# KiCad board PSEC5_Board.kicad_pcb (continued)
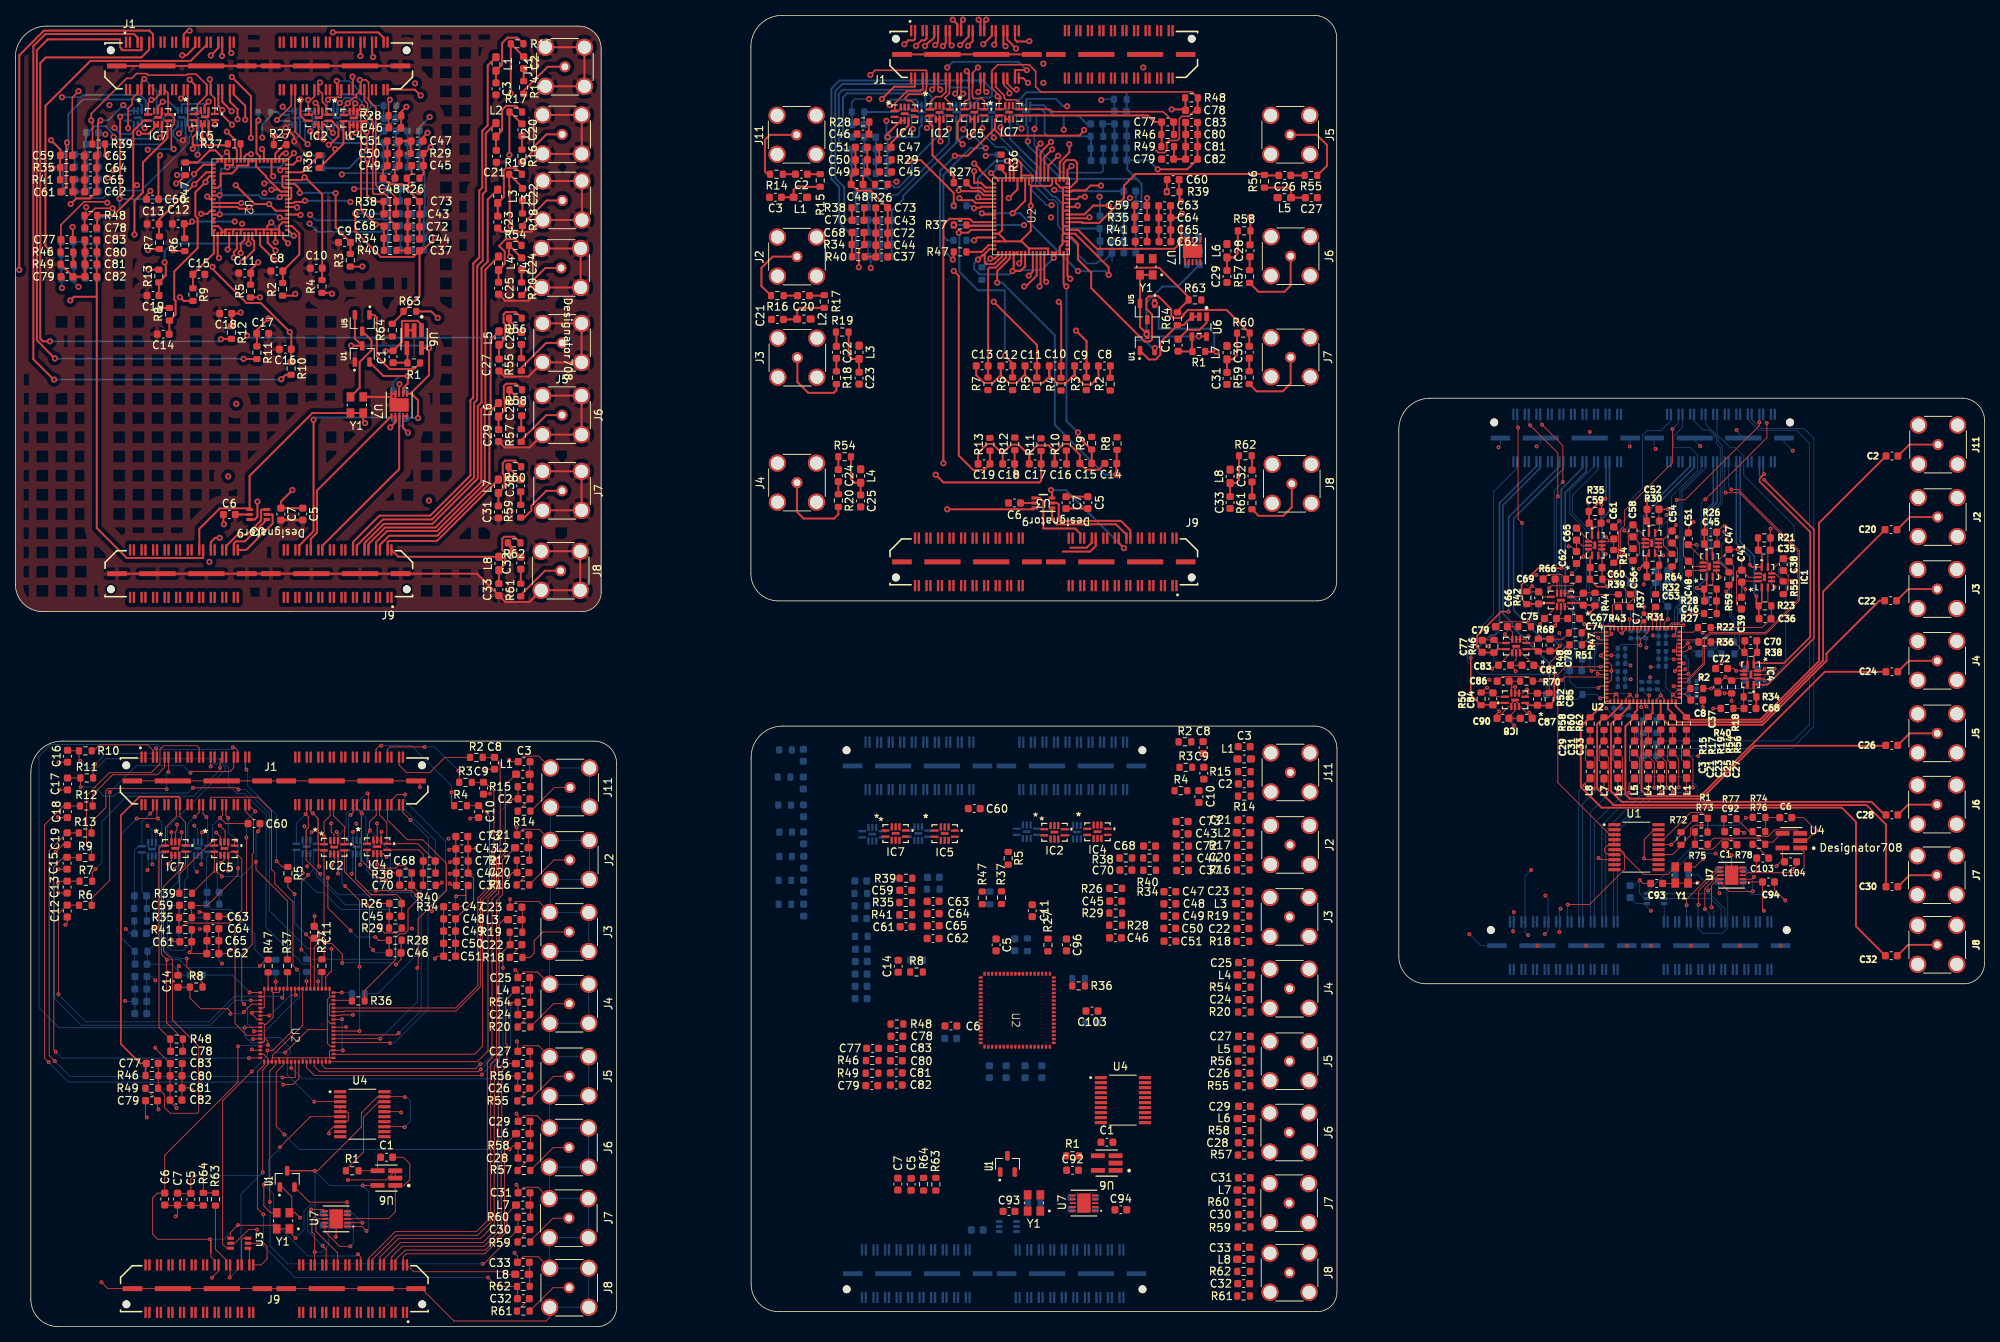
[diagram p0: board, top side]
## Nets (continued)
VDD33: C39.2 C39#2.2 C39#4.2 C39#5.2 C40.2 C40#2.2 C40#3.2 C40#4.2 C41.2 C41#2.2 C41#3.2 C41#4.2 C42.2 C42#2.2 C42#3.2 C42#4.2 C43#2.2 C43#3.2 C43#4.2 C43#5.2 C44.2 C44#2.2 C44#4.2 C44#5.2 C48.2 C48#3.2 C48#4.2 C48#5.2 C49.2 C49#2.2 C49#4.2 C49#5.2 C50.2 C50#2.2 C50#4.2 C50#5.2 C51#2.2 C51#3.2 C51#4.2 C51#5.2 C55#2.2 C55#3.2 C55#4.2 C55#5.2 C56.2 C56#3.2 C56#4.2 C56#5.2 C57.2 C57#3.2 C57#4.2 C57#5.2 C58.2 C58#2.2 C58#4.2 C58#5.2 C62.2 C62#3.2 C62#4.2 C62#5.2 C63.2 C63#2.2 C63#4.2 C63#5.2 C64#2.2 C64#3.2 C64#4.2 C64#5.2 C65#2.2 C65#3.2 C65#4.2 C65#5.2 C71#2.2 C71#3.2 C71#4.2 C71#5.2 C72#2.2 C72#3.2 C72#4.2 C72#5.2 C73.2 C73#3.2 C73#4.2 C73#5.2 C74.2 C74#2.2 C74#3.2 C74#4.2 C75.2 C75#2.2 C75#3.2 C75#4.2 C76.2 C76#2.2 C76#3.2 C76#4.2 C80.2 C80#3.2 C80#4.2 C80#5.2 C81#2.2 C81#3.2 C81#4.2 C81#5.2 C82#2.2 C82#3.2 C82#4.2 C82#5.2 C83.2 C83#3.2 C83#4.2 C83#5.2 C87.2 C87#2.2 C87#3.2 C87#5.2 C88.2 C88#2.2 C88#4.2 C88#5.2 C89.2 C89#3.2 C89#4.2 C89#5.2 C90.2 C90#2.2 C90#3.2 C90#4.2 IC1.3 IC1.4 IC1.9 IC1#2.3 IC1#2.4 IC1#2.9 IC1#3.3 IC1#3.4 IC1#3.9 IC1#4.3 IC1#4.4 IC1#4.9 IC2.3 IC2.4 IC2.9 IC2#2.3 IC2#2.4 IC2#2.9 IC2#3.3 IC2#3.4 IC2#3.9 IC2#4.3 IC2#4.4 IC2#4.9 IC3.3 IC3.4 IC3.9 IC3#2.3 IC3#2.4 IC3#2.9 IC3#3.3 IC3#3.4 IC3#3.9 IC3#5.3 IC3#5.4 IC3#5.9 IC4#2.3 IC4#2.4 IC4#2.9 IC4#3.3 IC4#3.4 IC4#3.9 IC4#4.3 IC4#4.4 IC4#4.9 IC4#5.3 IC4#5.4 IC4#5.9 IC5.3 IC5.4 IC5.9 IC5#2.3 IC5#2.4 IC5#2.9 IC5#3.3 IC5#3.4 IC5#3.9 IC5#5.3 IC5#5.4 IC5#5.9 IC6.3 IC6.4 IC6.9 IC6#3.3 IC6#3.4 IC6#3.9 IC6#4.3 IC6#4.4 IC6#4.9 IC6#5.3 IC6#5.4 IC6#5.9 IC7.3 IC7.4 IC7.9 IC7#2.3 IC7#2.4 IC7#2.9 IC7#3.3 IC7#3.4 IC7#3.9 IC7#5.3 IC7#5.4 IC7#5.9 IC8.3 IC8.4 IC8.9 IC8#2.3 IC8#2.4 IC8#2.9 IC8#3.3 IC8#3.4 IC8#3.9 IC8#5.3 IC8#5.4 IC8#5.9 J9.54 J9#2.54 J9#3.34 J9#4.54 J9#4.56 J9#5.73 J9#5.75 U1#2.8 U4#2.8 U4#3.8
VDD50: J9.58 J9#2.58 J9#3.38 J9#4.58 J9#4.60 J9#5.69 J9#5.71
/ADC_Buffer2/ADC4_In: R31.2 R31#2.2 R31#3.2 R31#4.2 R31#5.2 U2.30 U2#2.30 U2#3.30 U2#4.30 U2#5.30
/ADC_Buffer2/ADC5_In: R37.2 R37#2.2 R37#3.2 R37#4.2 R37#5.2 U2.25 U2#2.25 U2#3.25 U2#4.25 U2#5.25
/ADC_Buffer2/V_OCM: C54#3.1 C61#4.1 IC3#4.5 IC5#4.5 R63#2.2 R64#5.1
/ADC_Buffer3/ADC6_In: R43.2 R43#2.2 R43#3.2 R43#4.2 R43#5.2 U2.22 U2#2.22 U2#3.22 U2#4.22 U2#5.22
/ADC_Buffer3/ADC7_In: R47.2 R47#2.2 R47#3.2 R47#4.2 R47#5.2 U2.20 U2#2.20 U2#3.20 U2#4.20 U2#5.20
/ADC_Buffer3/ADC8_In: R51.2 R51#2.2 R51#3.2 R51#4.2 R51#5.2 U2.18 U2#2.18 U2#3.18 U2#4.18 U2#5.18
/ADC_Buffer3/V_OCM: C69#5.1 C79.1 C86#3.1 IC6#2.5 IC7#4.5 IC8#4.5
/ADC_Buffer/ADC1_In: R36.2 R36#2.2 R36#3.2 R36#4.2 R36#5.2 U2.39 U2#2.39 U2#3.39 U2#4.39 U2#5.39
/ADC_Buffer/ADC2_In: R22.2 R22#2.2 R22#3.2 R22#4.2 R22#5.2 U2.37 U2#2.37 U2#3.37 U2#4.37 U2#5.37
/ADC_Buffer/ADC3_In: R27.2 R27#2.2 R27#3.2 R27#4.2 R27#5.2 U2.34 U2#2.34 U2#3.34 U2#4.34 U2#5.34
/ADC_Buffer/V_OCM: C37#5.1 C38#2.1 C47#4.1 IC1#5.5 IC2#5.5 IC4.5
/Biases,Thresh/discbias_postrc: C19.1 C19#2.1 C19#3.1 C19#4.1 C19#5.1 R13.1 R13#2.1 R13#3.1 R13#4.1 R13#5.1 U2.64 U2#2.64 U2#3.64 U2#4.64 U2#5.64
/Biases,Thresh/discthresh1_postrc: C8.1 C8#2.1 C8#3.1 C8#4.1 C8#5.1 R2.1 R2#2.1 R2#3.1 R2#4.1 R2#5.1 U2.53 U2#2.53 U2#3.53 U2#4.53 U2#5.53
/Biases,Thresh/discthresh2_postrc: C9.1 C9#2.1 C9#3.1 C9#4.1 C9#5.1 R3.1 R3#2.1 R3#3.1 R3#4.1 R3#5.1 U2.42 U2#2.42 U2#3.42 U2#4.42 U2#5.42
/Biases,Thresh/discthresh3_postrc: C10.1 C10#2.1 C10#3.1 C10#4.1 C10#5.1 R4.1 R4#2.1 R4#3.1 R4#4.1 R4#5.1 U2.41 U2#2.41 U2#3.41 U2#4.41 U2#5.41
/Biases,Thresh/discthresh4_postrc: C11.1 C11#2.1 C11#3.1 C11#4.1 C11#5.1 R5.1 R5#2.1 R5#3.1 R5#4.1 R5#5.1 U2.31 U2#2.31 U2#3.31 U2#4.31 U2#5.31
/Biases,Thresh/discthresh5_postrc: C12.1 C12#2.1 C12#3.1 C12#4.1 C12#5.1 R6.1 R6#2.1 R6#3.1 R6#4.1 R6#5.1 U2.24 U2#2.24 U2#3.24 U2#4.24 U2#5.24
/Biases,Thresh/discthresh6_postrc: C13.1 C13#2.1 C13#3.1 C13#4.1 C13#5.1 R7.1 R7#2.1 R7#3.1 R7#4.1 R7#5.1 U2.16 U2#2.16 U2#3.16 U2#4.16 U2#5.16
/Biases,Thresh/discthresh7_postrc: C14.1 C14#2.1 C14#3.1 C14#4.1 C14#5.1 R8.1 R8#2.1 R8#3.1 R8#4.1 R8#5.1 U2.15 U2#2.15 U2#3.15 U2#4.15 U2#5.15
/Biases,Thresh/discthresh8_postrc: C15.1 C15#2.1 C15#3.1 C15#4.1 C15#5.1 R9.1 R9#2.1 R9#3.1 R9#4.1 R9#5.1 U2.1 U2#2.1 U2#3.1 U2#4.1 U2#5.1
/Biases,Thresh/readbias1_postrc: C16.1 C16#2.1 C16#3.1 C16#4.1 C16#5.1 R10.1 R10#2.1 R10#3.1 R10#4.1 R10#5.1 U2.33 U2#2.33 U2#3.33 U2#4.33 U2#5.33
/Biases,Thresh/readbias2_postrc: C17.1 C17#2.1 C17#3.1 C17#4.1 C17#5.1 R11.1 R11#2.1 R11#3.1 R11#4.1 R11#5.1 U2.35 U2#2.35 U2#3.35 U2#4.35 U2#5.35
/Biases,Thresh/wbufbias_postrc: C18.1 C18#2.1 C18#3.1 C18#4.1 C18#5.1 R12.1 R12#2.1 R12#3.1 R12#4.1 R12#5.1 U2.63 U2#2.63 U2#3.63 U2#4.63 U2#5.63
/Pedestals/SIGNAL1: C2.1 C2#2.1 C2#3.1 C2#4.1 C2#5.1 R15.2 R15#2.2 R15#3.2 R15#4.2 R15#5.2 U2.55 U2#2.55 U2#3.55 U2#4.55 U2#5.55
/Pedestals/SIGNAL2: C20.1 C20#2.1 C20#3.1 C20#4.1 C20#5.1 R17.2 R17#2.2 R17#3.2 R17#4.2 R17#5.2 U2.57 U2#2.57 U2#3.57 U2#4.57 U2#5.57
/Pedestals/SIGNAL3: C22.1 C22#2.1 C22#3.1 C22#4.1 C22#5.1 R19.2 R19#2.2 R19#3.2 R19#4.2 R19#5.2 U2.59 U2#2.59 U2#3.59 U2#4.59 U2#5.59
/Pedestals/SIGNAL4: C24.1 C24#2.1 C24#3.1 C24#4.1 C24#5.1 R54.2 R54#2.2 R54#3.2 R54#4.2 R54#5.2 U2.61 U2#2.61 U2#3.61 U2#4.61 U2#5.61
/Pedestals/SIGNAL5: C26.1 C26#2.1 C26#3.1 C26#4.1 C26#5.1 R56.2 R56#2.2 R56#3.2 R56#4.2 R56#5.2 U2.65 U2#2.65 U2#3.65 U2#4.65 U2#5.65
/Pedestals/SIGNAL6: C28.1 C28#2.1 C28#3.1 C28#4.1 C28#5.1 R58.2 R58#2.2 R58#3.2 R58#4.2 R58#5.2 U2.67 U2#2.67 U2#3.67 U2#4.67 U2#5.67
/Pedestals/SIGNAL7: C30.1 C30#2.1 C30#3.1 C30#4.1 C30#5.1 R60.2 R60#2.2 R60#3.2 R60#4.2 R60#5.2 U2.69 U2#2.69 U2#3.69 U2#4.69 U2#5.69
/Pedestals/SIGNAL8: C32.1 C32#2.1 C32#3.1 C32#4.1 C32#5.1 R62.2 R62#2.2 R62#3.2 R62#4.2 R62#5.2 U2.72 U2#2.72 U2#3.72 U2#4.72 U2#5.72
/Phase_detection/CLK_OUT: U5.3 U5#2.3 Y1.3 Y1#2.3
/Phase_detection/OP_AMP_OUT: C1.1 C1#2.1 C1#3.1 C1#4.1 C103#2.1 U4.1 U6.1 U6#2.1 U6#3.1 U6#4.1 U7.3 U7#2.3 U7#3.3 U7#4.3 U7#5.3
/Phase_detection/PSEC5_CLK_OUT: U2.9
/Phase_detection/To FPGA***: R25#2.2 U7#2.7 U7#2.8
ADC1_Out+: C70.2 C70#2.2 C70#3.2 C70#4.2 C70#5.2 IC4.1 IC4#2.1 IC4#3.1 IC4#4.1 IC4#5.1 J1.06 J1#2.70 J1#3.70 J1#4.70 J1#5.06 R38.1 R38#2.1 R38#3.1 R38#4.1 R38#5.1
ADC1_Out-: C68.1 C68#2.1 C68#3.1 C68#4.1 C68#5.1 IC4.7 IC4#2.7 IC4#3.7 IC4#4.7 IC4#5.7 J1.08 J1#2.72 J1#3.72 J1#4.72 J1#5.08 R34.2 R34#2.2 R34#3.2 R34#4.2 R34#5.2
ADC2_Out+: C36.2 C36#2.2 C36#3.2 C36#4.2 C36#5.2 IC1.1 IC1#2.1 IC1#3.1 IC1#4.1 IC1#5.1 J1.10 J1#2.64 J1#3.62 J1#4.64 J1#5.14 R23.1 R23#2.1 R23#3.1 R23#4.1 R23#5.1
ADC2_Out-: C35.1 C35#2.1 C35#3.1 C35#4.1 C35#5.1 IC1.7 IC1#2.7 IC1#3.7 IC1#4.7 IC1#5.7 J1.12 J1#2.62 J1#3.64 J1#4.62 J1#5.16 R21.2 R21#2.2 R21#3.2 R21#4.2 R21#5.2
ADC3_Out+: C46.2 C46#2.2 C46#3.2 C46#4.2 C46#5.2 IC2.1 IC2#2.1 IC2#3.1 IC2#4.1 IC2#5.1 J1.14 J1#2.54 J1#3.54 J1#4.54 J1#5.22 R28.1 R28#2.1 R28#3.1 R28#4.1 R28#5.1
ADC3_Out-: C45.1 C45#2.1 C45#3.1 C45#4.1 C45#5.1 IC2.7 IC2#2.7 IC2#3.7 IC2#4.7 IC2#5.7 J1.16 J1#2.56 J1#3.56 J1#4.56 J1#5.24 R26.2 R26#2.2 R26#3.2 R26#4.2 R26#5.2
ADC4_Out+: C53.2 C53#2.2 C53#3.2 C53#4.2 C53#5.2 IC3.1 IC3#2.1 IC3#3.1 IC3#4.1 IC3#5.1 J1.18 J1#2.48 J1#3.46 J1#4.48 J1#5.30 R32.1 R32#2.1 R32#3.1 R32#4.1 R32#5.1
ADC4_Out-: C52.1 C52#2.1 C52#3.1 C52#4.1 C52#5.1 IC3.7 IC3#2.7 IC3#3.7 IC3#4.7 IC3#5.7 J1.20 J1#2.46 J1#3.48 J1#4.46 J1#5.32 R30.2 R30#2.2 R30#3.2 R30#4.2 R30#5.2
ADC5_Out+: C60.2 C60#2.2 C60#3.2 C60#4.2 C60#5.2 IC5.1 IC5#2.1 IC5#3.1 IC5#4.1 IC5#5.1 J1.22 J1#2.30 J1#3.30 J1#4.30 J1#5.46 R39.1 R39#2.1 R39#3.1 R39#4.1 R39#5.1
ADC5_Out-: C59.1 C59#2.1 C59#3.1 C59#4.1 C59#5.1 IC5.7 IC5#2.7 IC5#3.7 IC5#4.7 IC5#5.7 J1.24 J1#2.32 J1#3.32 J1#4.32 J1#5.48 R35.2 R35#2.2 R35#3.2 R35#4.2 R35#5.2
ADC6_Out+: C67.2 C67#2.2 C67#3.2 C67#4.2 C67#5.2 IC6.1 IC6#2.1 IC6#3.1 IC6#4.1 IC6#5.1 J1.26 J1#2.24 J1#3.22 J1#4.24 J1#5.54 R44.1 R44#2.1 R44#3.1 R44#4.1 R44#5.1
ADC6_Out-: C66.1 C66#2.1 C66#3.1 C66#4.1 C66#5.1 IC6.7 IC6#2.7 IC6#3.7 IC6#4.7 IC6#5.7 J1.28 J1#2.22 J1#3.24 J1#4.22 J1#5.56 R42.2 R42#2.2 R42#3.2 R42#4.2 R42#5.2
ADC7_Out+: C78.2 C78#2.2 C78#3.2 C78#4.2 C78#5.2 IC7.1 IC7#2.1 IC7#3.1 IC7#4.1 IC7#5.1 J1.30 J1#2.14 J1#3.14 J1#4.14 J1#5.62 R48.1 R48#2.1 R48#3.1 R48#4.1 R48#5.1
ADC7_Out-: C77.1 C77#2.1 C77#3.1 C77#4.1 C77#5.1 IC7.7 IC7#2.7 IC7#3.7 IC7#4.7 IC7#5.7 J1.32 J1#2.16 J1#3.16 J1#4.16 J1#5.64 R46.2 R46#2.2 R46#3.2 R46#4.2 R46#5.2
ADC8_Out+: C85.2 C85#2.2 C85#3.2 C85#4.2 C85#5.2 IC8.1 IC8#2.1 IC8#3.1 IC8#4.1 IC8#5.1 J1.34 J1#2.08 J1#3.06 J1#4.08 J1#5.70 R52.1 R52#2.1 R52#3.1 R52#4.1 R52#5.1
ADC8_Out-: C84.1 C84#2.1 C84#3.1 C84#4.1 C84#5.1 IC8.7 IC8#2.7 IC8#3.7 IC8#4.7 IC8#5.7 J1.36 J1#2.06 J1#3.08 J1#4.06 J1#5.72 R50.2 R50#2.2 R50#3.2 R50#4.2 R50#5.2
ADC_CNV?: J9#3.28
ADC_SCK: J9.26 J9#2.26 J9#3.24 J9#4.26 J9#5.23 U7.8 U7#3.8 U7#4.8 U7#5.8
ADC_SDO: J9.34 J9#2.34 J9#3.26 J9#4.34 J9#5.27 R25.2 R25#3.2 R25#4.2 R25#5.2 U7.7 U7#3.7 U7#4.7 U7#5.7
DAC_SCLK: J9.42 J9#2.42 J9#3.18 J9#4.42 J9#5.19 U3.2 U3#2.2 U3#3.2 U3#4.2 U3#5.2
DAC_V_IN: J9.46 J9#2.46 J9#3.22 J9#4.46 J9#5.39 U3.3 U3#2.3 U3#3.3 U3#4.3 U3#5.3
DAC_V_OUT: U2.26 U2#2.26 U2#3.26 U2#4.26 U2#5.26 U3.6 U3#2.6 U3#3.6 U3#4.6 U3#5.6
Disc_Thresh1: J1.21 J1#2.77 J1#3.77 J1#4.77 J1#5.21 R2.2 R2#2.2 R2#3.2 R2#4.2 R2#5.2
Disc_Thresh2: J1.23 J1#2.73 J1#3.73 J1#4.73 J1#5.25 R3.2 R3#2.2 R3#3.2 R3#4.2 R3#5.2
Disc_Thresh3: J1.25 J1#2.69 J1#3.69 J1#4.69 J1#5.29 R4.2 R4#2.2 R4#3.2 R4#4.2 R4#5.2
Disc_Thresh4: J1.27 J1#2.37 J1#3.37 J1#4.37 J1#5.33 R5.2 R5#2.2 R5#3.2 R5#4.2 R5#5.2
Disc_Thresh5: J1.29 J1#2.33 J1#3.33 J1#4.33 J1#5.37 R6.2 R6#2.2 R6#3.2 R6#4.2 R6#5.2
Disc_Thresh6: J1.31 J1#2.29 J1#3.29 J1#4.29 J1#5.69 R7.2 R7#2.2 R7#3.2 R7#4.2 R7#5.2
Disc_Thresh7: J1.33 J1#2.25 J1#3.25 J1#4.25 J1#5.73 R8.2 R8#2.2 R8#3.2 R8#4.2 R8#5.2
Disc_Thresh8: J1.35 J1#2.21 J1#3.21 J1#4.21 J1#5.77 R9.2 R9#2.2 R9#3.2 R9#4.2 R9#5.2
DISCBIAS: J1.19 J1#2.11 J1#3.11 J1#4.11 J1#5.09 R13.2 R13#2.2 R13#3.2 R13#4.2 R13#5.2
PICO: J1.11 J1#2.68 J1#3.68 J1#4.68 J1#5.28 U2.47 U2#2.47 U2#3.47 U2#4.47 U2#5.47
POCI: J1.04 J1#2.80 J1#3.80 J1#4.80 J1#5.26 U2.48 U2#2.48 U2#3.48 U2#4.48 U2#5.48
PSEC5_CLK_OUT: J1.40 J1#2.35 J1#3.35 J1#4.35 J1#5.35 U1#2.3 U2#2.9 U2#3.9 U2#4.9 U2#5.9 U4#2.3 U4#3.3
READBIAS1: J1.13 J1#2.05 J1#3.05 J1#4.05 J1#5.07 R10.2 R10#2.2 R10#3.2 R10#4.2 R10#5.2
READBIAS2: J1.15 J1#2.07 J1#3.07 J1#4.07 J1#5.05 R11.2 R11#2.2 R11#3.2 R11#4.2 R11#5.2
ReadClk: J1.03 J1#2.38 J1#3.38 J1#4.38 J1#5.52 U2.8 U2#2.8 U2#3.8 U2#4.8 U2#5.8
rst: J1.07 J1#2.74 J1#3.34 J1#4.74 J1#5.20 U2.49 U2#2.49 U2#3.49 U2#4.49 U2#5.49
SPIclk: J1.09 J1#2.76 J1#3.36 J1#4.76 J1#5.18 U2.50 U2#2.50 U2#3.50 U2#4.50 U2#5.50
SYNC_N: J9.44 J9#2.44 J9#3.20 J9#4.44 J9#5.17 U3.1 U3#2.1 U3#3.1 U3#4.1 U3#5.1
TRIGGERIN: J1.37 J1#2.26 J1#3.26 J1#4.26 J1#5.78 U2.6 U2#2.6 U2#3.6 U2#4.6 U2#5.6
TRIGGEROUT: J1.38 J1#2.40 J1#3.40 J1#4.40 J1#5.50 U2.7 U2#2.7 U2#3.7 U2#4.7 U2#5.7
V_ped1: J9.16 J9#2.16 J9#3.02 J9#4.16 J9#5.41 L1.2 L1#2.2 L1#3.2 L1#4.2 L1#5.2
V_ped2: J9.14 J9#2.14 J9#3.04 J9#4.14 J9#5.43 L2.2 L2#2.2 L2#3.2 L2#4.2 L2#5.2
V_ped3: J9.12 J9#2.12 J9#3.06 J9#4.12 J9#5.45 L3.2 L3#2.2 L3#3.2 L3#4.2 L3#5.2
V_ped4: J9.10 J9#2.10 J9#3.08 J9#4.10 J9#5.47 L4.2 L4#2.2 L4#3.2 L4#4.2 L4#5.2
V_ped5: J9.08 J9#2.08 J9#3.10 J9#4.08 J9#5.49 L5.2 L5#2.2 L5#3.2 L5#4.2 L5#5.2
V_ped6: J9.06 J9#2.06 J9#3.12 J9#4.06 J9#5.51 L6.2 L6#2.2 L6#3.2 L6#4.2 L6#5.2
V_ped7: J9.04 J9#2.04 J9#3.14 J9#4.04 J9#5.53 L7.2 L7#2.2 L7#3.2 L7#4.2 L7#5.2
V_ped8: J9.02 J9#2.02 J9#3.16 J9#4.02 J9#5.55 L8.2 L8#2.2 L8#3.2 L8#4.2 L8#5.2
WBUFBIAS: J1.17 J1#2.09 J1#3.09 J1#4.09 J1#5.11 R12.2 R12#2.2 R12#3.2 R12#4.2 R12#5.2
Net-(C2-Pad2): C2.2 C2#3.2 C2#4.2 R14.1 R14#2.1 R14#4.1 R14#5.1
Net-(C3-Pad1): C3.1 C3#2.1 C3#3.1 C3#4.1 C3#5.1 L1.1 L1#2.1 L1#3.1 L1#4.1 L1#5.1 R15.1 R15#2.1 R15#3.1 R15#4.1 R15#5.1
Net-(C20-Pad2): C20#2.2 C20#3.2 C20#5.2 R16.1 R16#2.1 R16#3.1 R16#4.1
Net-(C21-Pad1): C21.1 C21#2.1 C21#3.1 C21#4.1 C21#5.1 L2.1 L2#2.1 L2#3.1 L2#4.1 L2#5.1 R17.1 R17#2.1 R17#3.1 R17#4.1 R17#5.1
Net-(C22-Pad2): C22#3.2 C22#4.2 C22#5.2 R18.1 R18#3.1 R18#4.1 R18#5.1
Net-(C23-Pad1): C23.1 C23#2.1 C23#3.1 C23#4.1 C23#5.1 L3.1 L3#2.1 L3#3.1 L3#4.1 L3#5.1 R19.1 R19#2.1 R19#3.1 R19#4.1 R19#5.1
Net-(C24-Pad2): C24#2.2 C24#4.2 C24#5.2 R20.1 R20#2.1 R20#3.1 R20#4.1
Net-(C25-Pad1): C25.1 C25#2.1 C25#3.1 C25#4.1 C25#5.1 L4.1 L4#2.1 L4#3.1 L4#4.1 L4#5.1 R54.1 R54#2.1 R54#3.1 R54#4.1 R54#5.1
Net-(C26-Pad2): C26#2.2 C26#3.2 C26#5.2 R55.1 R55#2.1 R55#3.1 R55#4.1
Net-(C27-Pad1): C27.1 C27#2.1 C27#3.1 C27#4.1 C27#5.1 L5.1 L5#2.1 L5#3.1 L5#4.1 L5#5.1 R56.1 R56#2.1 R56#3.1 R56#4.1 R56#5.1
Net-(C28-Pad2): C28#2.2 C28#3.2 C28#4.2 R57.1 R57#2.1 R57#3.1 R57#4.1
Net-(C29-Pad1): C29.1 C29#2.1 C29#3.1 C29#4.1 C29#5.1 L6.1 L6#2.1 L6#3.1 L6#4.1 L6#5.1 R58.1 R58#2.1 R58#3.1 R58#4.1 R58#5.1
Net-(C30-Pad2): C30.2 C30#3.2 C30#4.2 R59.1 R59#2.1 R59#4.1 R59#5.1
Net-(C31-Pad1): C31.1 C31#2.1 C31#3.1 C31#4.1 C31#5.1 L7.1 L7#2.1 L7#3.1 L7#4.1 L7#5.1 R60.1 R60#2.1 R60#3.1 R60#4.1 R60#5.1
Net-(C32-Pad2): C32#2.2 C32#3.2 C32#4.2 R61.1 R61#2.1 R61#3.1 R61#4.1
Net-(C33-Pad1): C33.1 C33#2.1 C33#3.1 C33#4.1 C33#5.1 L8.1 L8#2.1 L8#3.1 L8#4.1 L8#5.1 R62.1 R62#2.1 R62#3.1 R62#4.1 R62#5.1
Net-(IC1-+IN): C36.1 C36#2.1 C36#3.1 C36#4.1 C36#5.1 IC1.2 IC1#2.2 IC1#3.2 IC1#4.2 IC1#5.2 R22.1 R22#2.1 R22#3.1 R22#4.1 R22#5.1 R23.2 R23#2.2 R23#3.2 R23#4.2 R23#5.2
Net-(IC1--IN): C35.2 C35#2.2 C35#3.2 C35#4.2 C35#5.2 IC1.6 IC1#2.6 IC1#3.6 IC1#4.6 IC1#5.6 R21.1 R21#2.1 R21#3.1 R21#4.1 R21#5.1 R24.1 R24#2.1 R24#3.1 R24#4.1 R24#5.1
Net-(IC2-+IN): C46.1 C46#2.1 C46#3.1 C46#4.1 C46#5.1 IC2.2 IC2#2.2 IC2#3.2 IC2#4.2 IC2#5.2 R27.1 R27#2.1 R27#3.1 R27#4.1 R27#5.1 R28.2 R28#2.2 R28#3.2 R28#4.2 R28#5.2
Net-(IC2--IN): C45.2 C45#2.2 C45#3.2 C45#4.2 C45#5.2 IC2.6 IC2#2.6 IC2#3.6 IC2#4.6 IC2#5.6 R26.1 R26#2.1 R26#3.1 R26#4.1 R26#5.1 R29.1 R29#2.1 R29#3.1 R29#4.1 R29#5.1
Net-(IC3-+IN): C53.1 C53#2.1 C53#3.1 C53#4.1 C53#5.1 IC3.2 IC3#2.2 IC3#3.2 IC3#4.2 IC3#5.2 R31.1 R31#2.1 R31#3.1 R31#4.1 R31#5.1 R32.2 R32#2.2 R32#3.2 R32#4.2 R32#5.2
Net-(IC3--IN): C52.2 C52#2.2 C52#3.2 C52#4.2 C52#5.2 IC3.6 IC3#2.6 IC3#3.6 IC3#4.6 IC3#5.6 R30.1 R30#2.1 R30#3.1 R30#4.1 R30#5.1 R33.1 R33#2.1 R33#3.1 R33#4.1 R33#5.1
Net-(IC4-+IN): C70.1 C70#2.1 C70#3.1 C70#4.1 C70#5.1 IC4.2 IC4#2.2 IC4#3.2 IC4#4.2 IC4#5.2 R36.1 R36#2.1 R36#3.1 R36#4.1 R36#5.1 R38.2 R38#2.2 R38#3.2 R38#4.2 R38#5.2
Net-(IC4--IN): C68.2 C68#2.2 C68#3.2 C68#4.2 C68#5.2 IC4.6 IC4#2.6 IC4#3.6 IC4#4.6 IC4#5.6 R34.1 R34#2.1 R34#3.1 R34#4.1 R34#5.1 R40.1 R40#2.1 R40#3.1 R40#4.1 R40#5.1
Net-(IC5-+IN): C60.1 C60#2.1 C60#3.1 C60#4.1 C60#5.1 IC5.2 IC5#2.2 IC5#3.2 IC5#4.2 IC5#5.2 R37.1 R37#2.1 R37#3.1 R37#4.1 R37#5.1 R39.2 R39#2.2 R39#3.2 R39#4.2 R39#5.2
Net-(IC5--IN): C59.2 C59#2.2 C59#3.2 C59#4.2 C59#5.2 IC5.6 IC5#2.6 IC5#3.6 IC5#4.6 IC5#5.6 R35.1 R35#2.1 R35#3.1 R35#4.1 R35#5.1 R41.1 R41#2.1 R41#3.1 R41#4.1 R41#5.1
Net-(IC6-+IN): C67.1 C67#2.1 C67#3.1 C67#4.1 C67#5.1 IC6.2 IC6#2.2 IC6#3.2 IC6#4.2 IC6#5.2 R43.1 R43#2.1 R43#3.1 R43#4.1 R43#5.1 R44.2 R44#2.2 R44#3.2 R44#4.2 R44#5.2
Net-(IC6--IN): C66.2 C66#2.2 C66#3.2 C66#4.2 C66#5.2 IC6.6 IC6#2.6 IC6#3.6 IC6#4.6 IC6#5.6 R42.1 R42#2.1 R42#3.1 R42#4.1 R42#5.1 R45.1 R45#2.1 R45#3.1 R45#4.1 R45#5.1
Net-(IC7-+IN): C78.1 C78#2.1 C78#3.1 C78#4.1 C78#5.1 IC7.2 IC7#2.2 IC7#3.2 IC7#4.2 IC7#5.2 R47.1 R47#2.1 R47#3.1 R47#4.1 R47#5.1 R48.2 R48#2.2 R48#3.2 R48#4.2 R48#5.2
Net-(IC7--IN): C77.2 C77#2.2 C77#3.2 C77#4.2 C77#5.2 IC7.6 IC7#2.6 IC7#3.6 IC7#4.6 IC7#5.6 R46.1 R46#2.1 R46#3.1 R46#4.1 R46#5.1 R49.1 R49#2.1 R49#3.1 R49#4.1 R49#5.1
Net-(IC8-+IN): C85.1 C85#2.1 C85#3.1 C85#4.1 C85#5.1 IC8.2 IC8#2.2 IC8#3.2 IC8#4.2 IC8#5.2 R51.1 R51#2.1 R51#3.1 R51#4.1 R51#5.1 R52.2 R52#2.2 R52#3.2 R52#4.2 R52#5.2
Net-(IC8--IN): C84.2 C84#2.2 C84#3.2 C84#4.2 C84#5.2 IC8.6 IC8#2.6 IC8#3.6 IC8#4.6 IC8#5.6 R50.1 R50#2.1 R50#3.1 R50#4.1 R50#5.1 R53.1 R53#2.1 R53#3.1 R53#4.1 R53#5.1
Net-(J2-In): C20.2 C20#4.2 J2.1 J2#2.1 J2#3.1 J2#4.1 J2#5.1 R16.2 R16#2.2 R16#3.2 R16#4.2
Net-(J3-In): C22.2 C22#2.2 J3.1 J3#2.1 J3#3.1 J3#4.1 J3#5.1 R18.2 R18#3.2 R18#4.2 R18#5.2
Net-(J4-In): C24.2 C24#3.2 J4.1 J4#2.1 J4#3.1 J4#4.1 J4#5.1 R20.2 R20#2.2 R20#3.2 R20#4.2
Net-(J5-In): C26.2 C26#4.2 J5.1 J5#2.1 J5#3.1 J5#4.1 J5#5.1 R55.2 R55#2.2 R55#3.2 R55#4.2
Net-(J6-In): C28.2 C28#5.2 J6.1 J6#2.1 J6#3.1 J6#4.1 J6#5.1 R57.2 R57#2.2 R57#3.2 R57#4.2
Net-(J7-In): C30#2.2 C30#5.2 J7.1 J7#2.1 J7#3.1 J7#4.1 J7#5.1 R59.2 R59#2.2 R59#4.2 R59#5.2
Net-(J8-In): C32.2 C32#5.2 J8.1 J8#2.1 J8#3.1 J8#4.1 J8#5.1 R61.2 R61#2.2 R61#3.2 R61#4.2
Net-(J11-In): C2#2.2 C2#5.2 J11.1 J11#2.1 J11#3.1 J11#4.1 J11#5.1 R14.2 R14#2.2 R14#4.2 R14#5.2
Net-(U1-VOUT): C34.1 C34#4.1 C34#5.1 U1.2 U1#3.2 U1#4.2 U1#5.2 U7#2.2 U7#3.2 U7#4.2
Net-(U5-U): R1#4.2 R1#5.2 U5.1 U5#2.1
Net-(U6-IN-): C1.2 C1#2.2 C1#3.2 C1#4.2 R1.1 R1#3.1 R1#4.1 R1#5.1 U6.4 U6#2.4 U6#3.4 U6#4.4
Net-(U7-SDI): C4.2 C4#2.2 C4#4.2 U7#2.9 U7#2.10 U7#3.9 U7#3.10 U7#4.9 U7#4.10

Pads without a net: C1#5 2; C6 1; C37 1; C37#2 1; C37#3 1; C37#4 1; C38 1; C38#3 1; C38#4 1; C38#5 1; C47 1; C47#2 1; C47#3 1; C47#5 1; C54 1; C54#2 1; C54#4 1; C54#5 1; C61 1; C61#2 1; C61#3 1; C61#5 1; C69 1; C69#2 1; C69#3 1; C69#4 1; C79#2 1; C79#3 1; C79#4 1; C79#5 1; C86 1; C86#2 1; C86#4 1; C86#5 1; C92 2; C103#2 2; IC1 5; IC1#2 5; IC1#3 5; IC1#4 5; IC2 5; IC2#2 5; IC2#3 5; IC2#4 5; IC3 5; IC3#2 5; IC3#3 5; IC3#5 5; IC4#2 5; IC4#3 5; IC4#4 5; IC4#5 5; IC5 5; IC5#2 5; IC5#3 5; IC5#5 5; IC6 5; IC6#3 5; IC6#4 5; IC6#5 5; IC7 5; IC7#2 5; IC7#3 5; IC7#5 5; IC8 5; IC8#2 5; IC8#3 5; IC8#5 5; J1 01 02 05 39 41 42 43 44 45 46 47 48 49 50 51 52 53 54 55 56 57 58 59 60 61 62 63 64 65 66 67 68 69 70 71 72 73 74 75 76 77 78 79 80 G5 G6 G7 G8; J1#2 01 02 03 04 10 12 13 15 17 18 19 20 23 27 28 31 34 36 39 41 42 43 44 45 47 49 50 51 52 53 55 57 58 59 60 61 63 65 66 67 71 75 78 79; J1#3 01 02 03 04 10 12 13 15 17 18 19 20 23 27 28 31 39 41 42 43 44 45 47 49 50 51 52 53 55 57 58 59 60 61 63 65 66 67 71 74 75 76 78 79; J1#4 01 02 03 04 10 12 13 15 17 18 19 20 23 27 28 31 34 36 39 41 42 43 44 45 47 49 50 51 52 53 55 57 58 59 60 61 63 65 66 67 71 75 78 79; J1#5 01 02 03 04 10 12 13 15 17 19 23 27 31 34 36 38 39 40 41 42 43 44 45 47 49 51 53 55 57 58 59 60 61 63 65 66 67 68 71 74 75 76 79 80; J9 01 03 05 07 09 11 13 15 17 18 19 20 21 22 23 24 25 27 28 29 30 31 32 33 35 36 37 38 39 40 41 43 45 47 48 49 51 53 55 57 59 60 61 62 63 64 65 66 67 68 69 70 71 72 73 74 75 76 77 78 79 80; J9#2 01 03 05 07 09 11 13 15 17 18 19 20 21 22 23 24 25 27 28 29 30 31 32 33 35 36 37 38 39 40 41 43 45 47 48 49 51 53 55 57 59 60 61 62 63 64 65 66 67 68 69 70 71 72 73 74 75 76 77 78 79 80; J9#3 01 03 05 07 09 11 13 15 17 19 21 23 25 27 29 31 33 35 37 39 40 41 42 43 44 45 46 47 48 49 50 51 52 53 54 55 56 57 58 59 60 61 62 63 64 65 66 67 68 69 70 71 72 73 74 75 76 77 78 79 80 G5 G6 G7 G8; J9#4 01 03 05 07 09 11 13 15 17 18 19 20 21 22 23 24 25 27 28 29 30 31 32 33 35 36 37 38 39 40 41 43 45 47 48 49 51 53 55 57 59 61 63 65 67 69 70 71 72 73 74 75 76 77 78 79 80; J9#5 01 02 03 04 05 06 07 08 09 10 11 12 13 14 15 16 18 20 21 22 24 25 26 28 29 30 31 32 33 34 35 36 37 38 40 42 44 46 48 50 52 54 56 57 58 59 60 62 64 66 68 70 72 74 76 78 80; R1 2; R1#2 2; R1#3 2; R14#3 1; R16#5 2; R18#2 1; R20#5 2; R55#5 1; R57#5 2; R59#3 1; R61#5 2; R63 2; R63#3 2; R63#4 2; R63#5 2; R64 1; R64#2 1; R64#3 1; R64#4 1; R65 2; R65#2 2; R66 1; R67 2; R68 1; R69 2; R70 1; R71 2; R72 2; R73 1 2; R74 1 2; R75 1 2; R76 1 2; R77 1 2; R78 1 2; U1#2 1 2 4 5 6 7 9 10 11 12 14 15 17 18 20; U4 3 4; U4#2 1 2 4 5 6 7 9 10 11 12 14 15 17 18 20; U4#3 1 2 4 5 6 7 9 10 11 12 14 15 17 18 20; U7 6 9; U7#3 6; U7#4 6; U7#5 6 9; Y1#3 3; Y1#4 3; Y1#5 3

## Via types
v1: diameter 0.5, hole 0.2, Top to Bottom, 455 vias
v2: diameter 0.8, hole 0.4, Top to Bottom, 352 vias

## Routing (per net, layer and track width the routed paths; a pad name or vN(x,y) marks a point on that pad's centre or on a via; arc(x,y) is an arc through that point)
+1V2: length 152.3
  Top w0.25: 31.29,142.75 31.24,142.8 29.49,142.8 ; 31.29,142.75 31.29,142.25 U2#4.62 ; 31.29,142.75 31.34,142.8 32.34,142.8 ; 34.26,147.92 34.46,147.72 U2#4.44 ; 34.26,147.92 34.24,147.95 v2(33.31,147.95) ; 34.26,147.92 32.59,149.6 32.59,149.72 31.31,151 U2#4.29 U2#4.27 30.31,151.17 30.24,151.1 28.84,151.1 28.84,150.75 28.16,150.07 26.69,150.07 26.69,148.55 26.36,148.22 U2#4.12 ; U2.29 U2.27 ; 28.51,142.8 27.34,142.8 27.31,142.77 ; 28.51,142.8 29.49,142.8 ; 28.51,142.8 28.31,142.6 U2#4.68 ; U2.54 136.35,151.41 136.75,151.82 137.75,151.82 138.11,151.47 138.11,149.13 137.21,148.24 U2.56 136.3,148.24 136.27,148.21 ; U2.12 130.85,138.64 v2(130.57,138.37) ; 29.49,142.8 29.34,142.8 29.31,142.77 U2#4.66 ; 33.31,142.77 33.34,142.8 34.29,142.8 ; 33.31,142.77 U2#4.58 ; 33.31,142.77 33.29,142.8 32.74,142.8 ; 136.3,146.24 136.27,146.26 136.27,147.21 ; 136.3,146.24 U2.60 ; 136.3,146.24 136.27,146.21 136.27,145.21 ; U2.44 131.35,146.53 v2(129.71,144.89) ; v2(125.71,144.89) 125.87,144.74 U2.28 ; 136.27,147.21 136.27,148.21 ; 136.27,147.21 136.3,147.24 U2.58 ; 136.27,148.21 135.98,148.21 135.35,148.84 U2.52 ; 136.27,143.21 136.27,142.26 136.3,142.24 ; 136.27,143.21 136.27,145.21 ; 136.27,143.21 136.3,143.24 U2.66 ; 34.29,142.8 34.29,143.25 34.76,143.72 U2#4.52 ; 34.29,142.8 34.31,142.77 U2#4.56 ; 27.31,142.77 27.31,142.72 U2#4.71 26.81,142.77 26.36,143.22 U2#4.2 ; 27.31,142.77 U2#4.70 ; 136.21,141.32 136.21,140.87 135.85,140.5 U2.2 ; 136.21,141.32 136.3,141.24 U2.70 U2.71 ; 136.21,141.32 136.21,142.15 136.3,142.24 ; 32.34,142.8 32.31,142.77 U2#4.60 ; 32.34,142.8 32.74,142.8 ; U2.62 136.3,145.24 136.27,145.21 ; v2(36.04,108.87) 34.54,107.37 C7#4.1 C5#3.1 ; v2(36.21,141.97) 35.46,142.72 U2#4.54 ; C7#3.1 C5.1 ; v2(33.29,143.7) 32.74,143.15 32.74,142.8 ; 136.3,142.24 U2.68 137.84,142.24 142.21,137.87 v2(142.21,136.87)
  In1.Cu w0.25: v2(33.31,147.95) 33.31,147.05 33.74,146.62 33.74,144.72 33.66,144.64 33.66,144.07 v2(33.29,143.7) ; v2(138.21,137.37) 137.21,138.37 v2(130.57,138.37) ; v2(36.21,141.97) 36.21,140.7 35.66,140.15 35.66,134.1 36.41,133.35 36.41,109.25 v2(36.04,108.87)
  Bottom w0.25: v2(36.21,141.97) 35.01,141.97 v2(33.29,143.7) ; v2(142.21,136.87) 141.71,137.37 v2(138.21,137.37) 130.69,144.89 v2(129.71,144.89) v2(125.71,144.89)
+2V5: length 131
  Top w0.25: U2#4.23 28.31,151.17 28.29,151.15 27.94,151.15 ; 128.71,141.24 130.71,141.24 ; 128.71,141.24 128.71,141.42 127.9,142.24 ; 128.71,141.24 127.9,141.24 ; 130.71,141.24 132.08,142.61 132.08,148.45 ; 130.71,141.24 130.9,141.24 131.85,140.29 ; U2.36 127.25,148.74 125.44,150.55 125.44,150.67 124.74,151.37 v2(124.71,151.37) ; 131.85,140.29 U2.10 ; 131.85,140.29 131.87,140.29 131.9,140.31 134.32,140.31 134.35,140.29 U2.5 ; U2.51 134.85,148.69 134.61,148.45 132.08,148.45 ; 132.08,148.45 131.85,148.69 U2.45 ; v2(34.38,147) 34.6,147.22 U2#4.45 ; C6#5.1 27.06,104.5 v2(27.14,104.42) ; U2.38 128.35,142.69 127.9,142.24 ; U2#4.51 34.5,144.22 v2(34.38,144.34) ; 127.92,141.26 127.9,141.24 ; 127.9,141.24 U2.21 ; v2(34.46,150.5) 34.54,150.5 34.76,150.72 U2#4.38 ; U2#4.5 26.54,144.72 v2(26.57,144.75) ; 127.9,142.24 U2.23 ; U2#4.36 35.24,151.72 36.19,152.68 36.19,152.69 v2(36.22,152.72) ; 27.94,151.15 27.34,151.15 27.31,151.17 U2#4.21 ; 27.94,151.15 27.85,151.15 v2(27.58,150.88) ; v2(26.56,147.24) 26.54,147.22 U2#4.10
  In1.Cu w0.25: v2(34.38,147) 34.38,147 v2(34.38,144.34) ; v2(27.14,104.42) 25.94,105.62 25.94,128.72 27.21,130 27.21,139.37 26.57,140.02 v2(26.57,144.75) ; v2(132.08,145.87) 131.7,145.87 129.96,147.61 128.4,147.61 126.19,149.82 126.19,149.92 124.74,151.37 v2(124.71,151.37)
  Bottom w0.25: 26.87,147.55 v2(26.56,147.24) ; v2(26.56,147.24) 31.67,147.24 32.1,146.81 34.19,146.81 v2(34.38,147) ; v2(26.56,147.24) 26.74,147.42 26.74,150.7 27.4,150.7 v2(27.58,150.88) 27.58,150.87 34.26,150.87 ; v2(26.56,147.24) 26.56,144.76 v2(26.57,144.75) 33.97,144.75 v2(34.38,144.34) ; 34.26,150.87 34.26,150.7 v2(34.46,150.5) ; 34.26,150.87 34.39,150.87 36.22,152.71 v2(36.22,152.72)
/ADC_Buffer2/VDD33: length 33.3
  Top w0.25: C64.2 151.15,144.31 v2(151.71,144.87) ; C62#2.2 150.26,141.24 C63#3.2 ; v2(124.11,154.87) 124.73,155.49 IC5#4.4 IC5#4.3
  Bottom w0.25: 122.4,154.1 115.48,147.18 115.48,146.72 113.98,145.22 C55.2 113.98,139.32 C58#3.2 ; 122.4,154.1 IC3#4.9 ; 122.4,154.1 123.17,154.87 v2(124.11,154.87) ; IC3#4.3 IC3#4.4
/ADC_Buffer3/VDD33: length 83.9
  Top w0.25: IC7#4.3 IC7#4.4 ; C83#2.2 C82.2 152.44,150.62 v2(148.59,150.62)
  In1.Cu w0.25: v2(136.82,158.81) 138.14,157.49 138.14,150.68 138.75,150.07 144.44,150.07 144.61,150.25 144.61,150.62 ; v2(127.27,154.75) 127.77,154.25 v2(131.69,154.25)
  Bottom w0.25: v2(127.27,154.75) 127.03,154.99 IC6#2.9 ; C90#5.2 147.41,151.8 v2(148.59,150.62) ; C90#5.2 144.61,151.75 144.61,150.62 146.04,149.19 ; C90#5.2 144.54,151.82 C87#4.2 144.54,156.5 C89#2.2 ; IC6#2.3 IC6#2.4 ; 146.04,149.19 145.86,149.37 136.05,149.37 131.69,153.73 v2(131.69,154.25) 131.69,156.14 131.5,156.33 IC8#4.9 ; 146.04,149.19 146.49,148.74 146.49,145.31 C74#5.2 145.73,144.51 C71.2 ; IC8#4.3 IC8#4.4 131.5,159.73 131.54,159.78 135.35,159.78 136.31,158.81 v2(136.82,158.81) ; 145.91,144.69 145.76,144.53
